# Altium PCB egse_pcb.PcbDoc (part 1 of 3)
Units mm, origin at the board's own origin, x right, y up, seen from the top; angles counter-clockwise.
Board outline 120 x 120 mm, 6 copper layers (Top Layer, GND-1, INT-SIG-1, INT-SIG-2, GND-2, Bottom Layer), stack 1.535 mm thick; 278 components, 151 nets, 1110 pads, 1015 vias.
Unrouted connection lines stored in the file: 164.
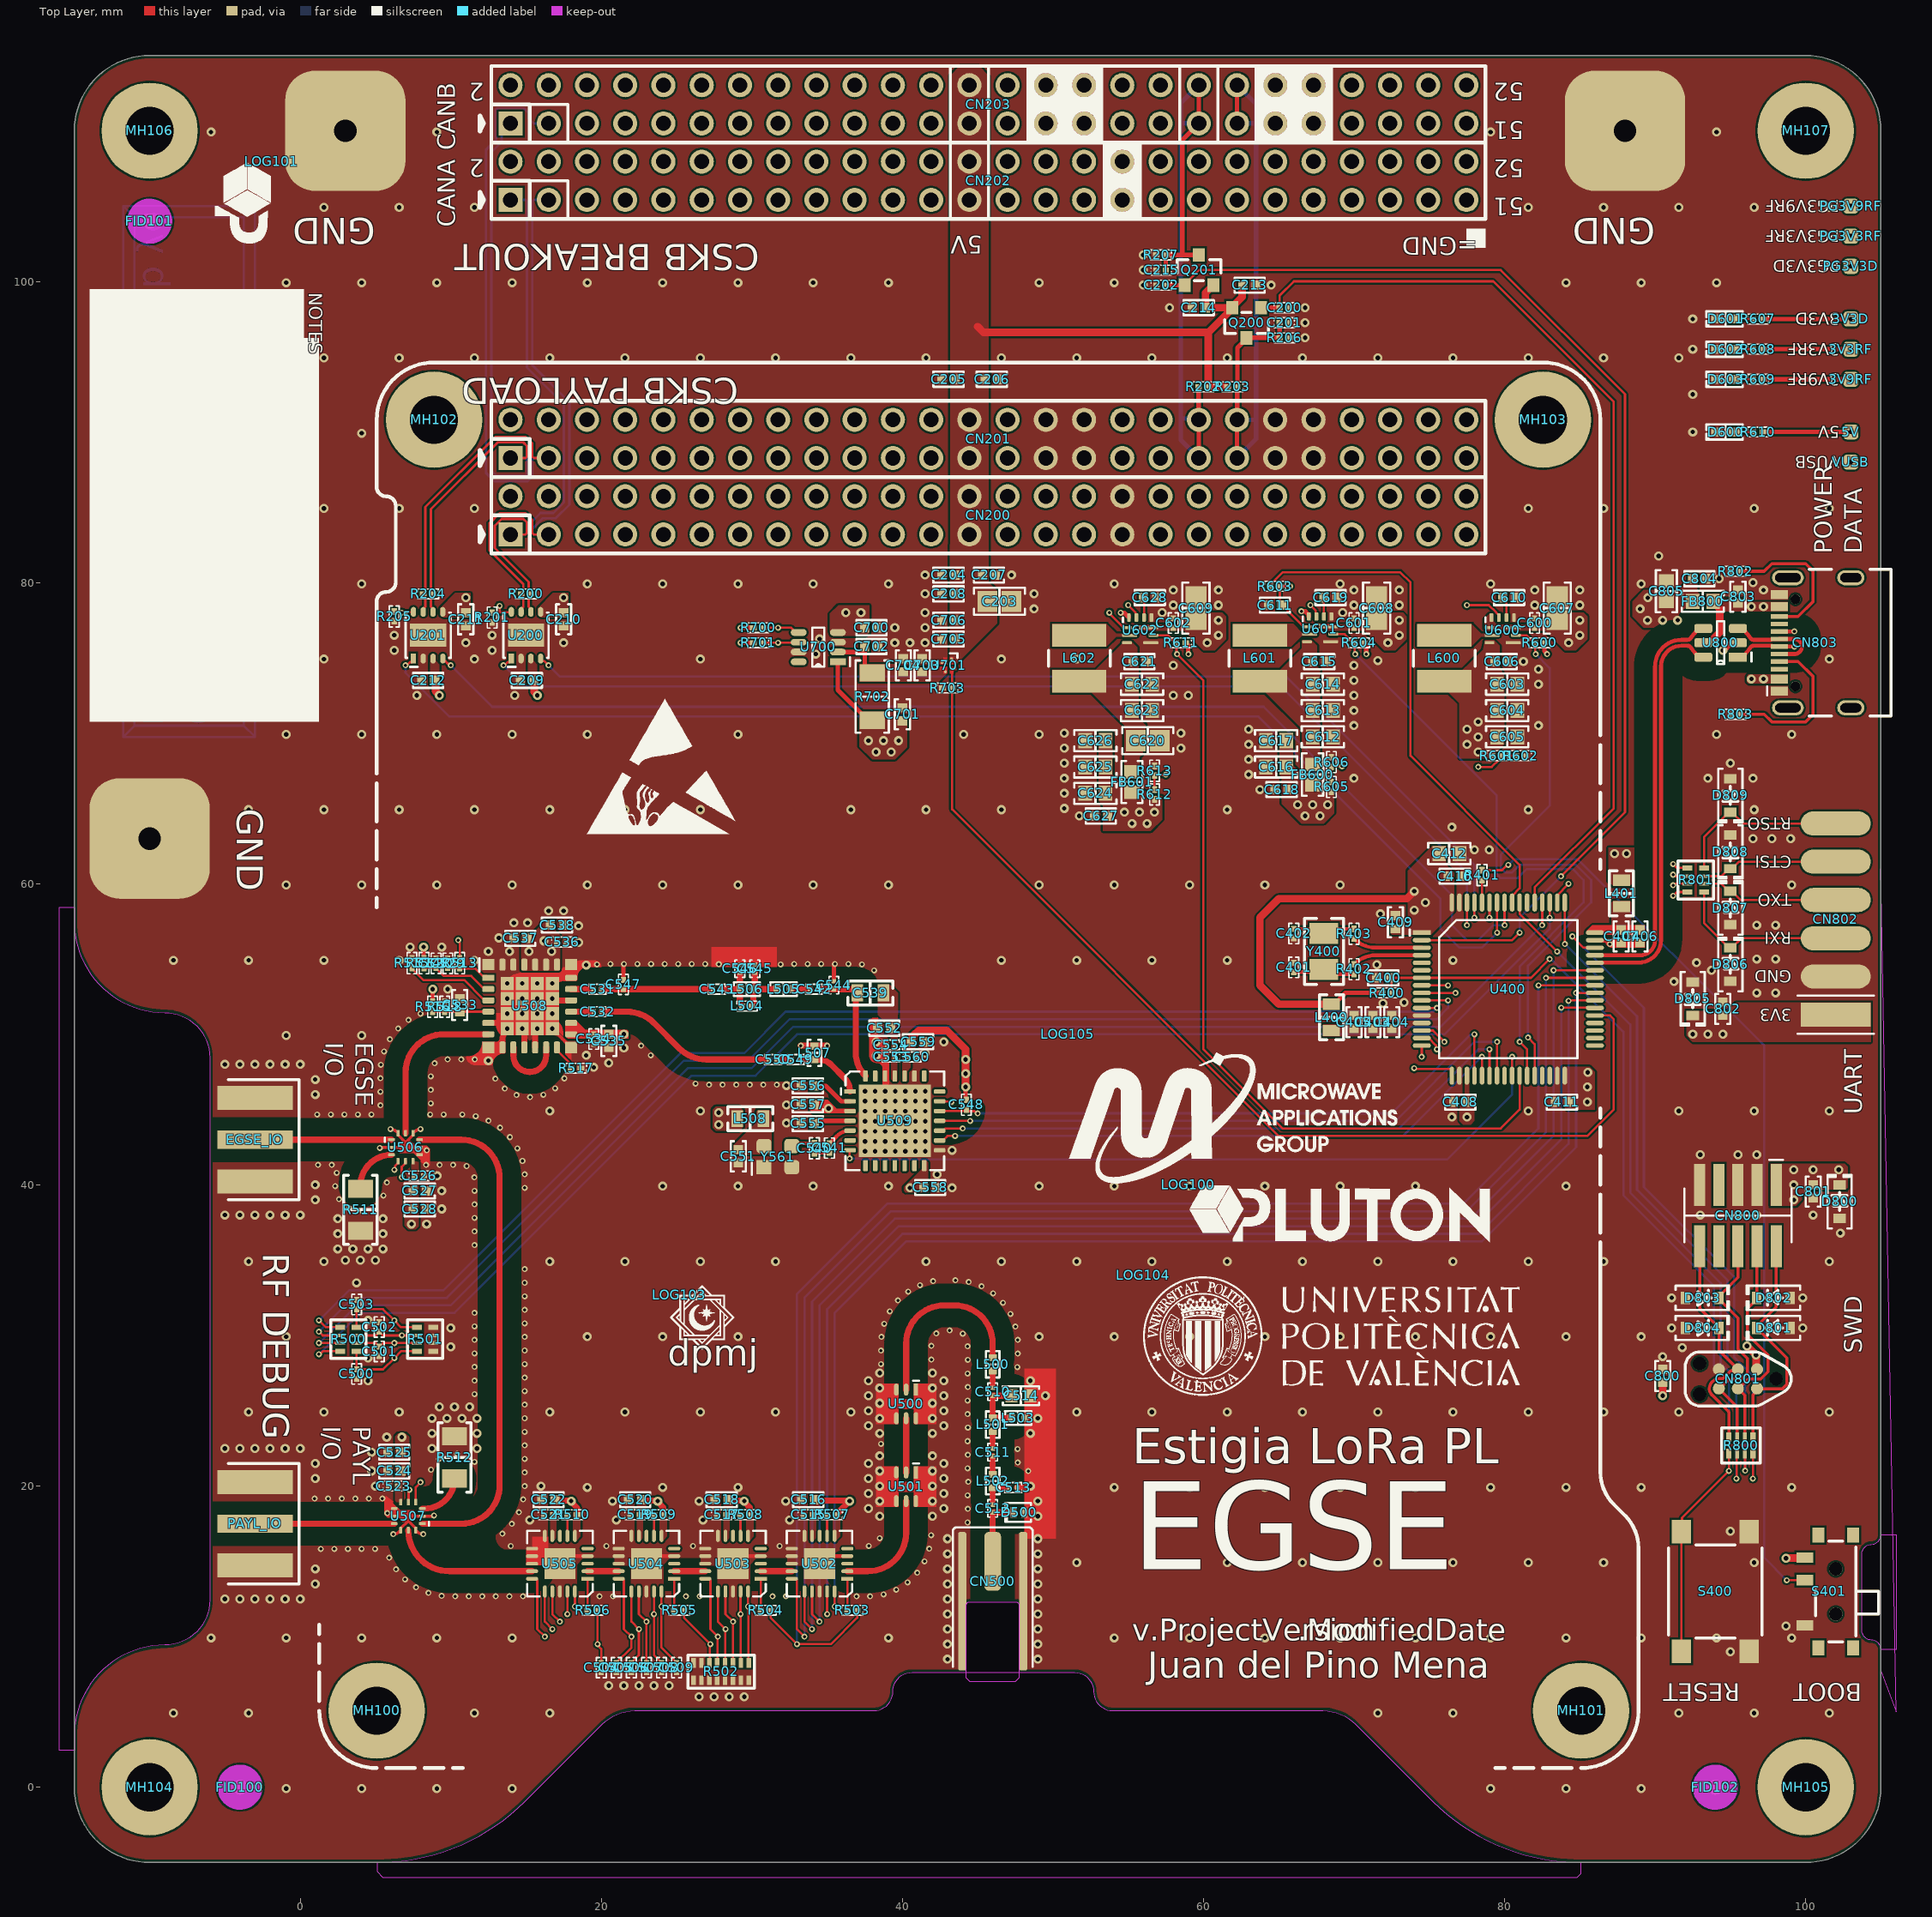
[diagram p0: Top Layer view]
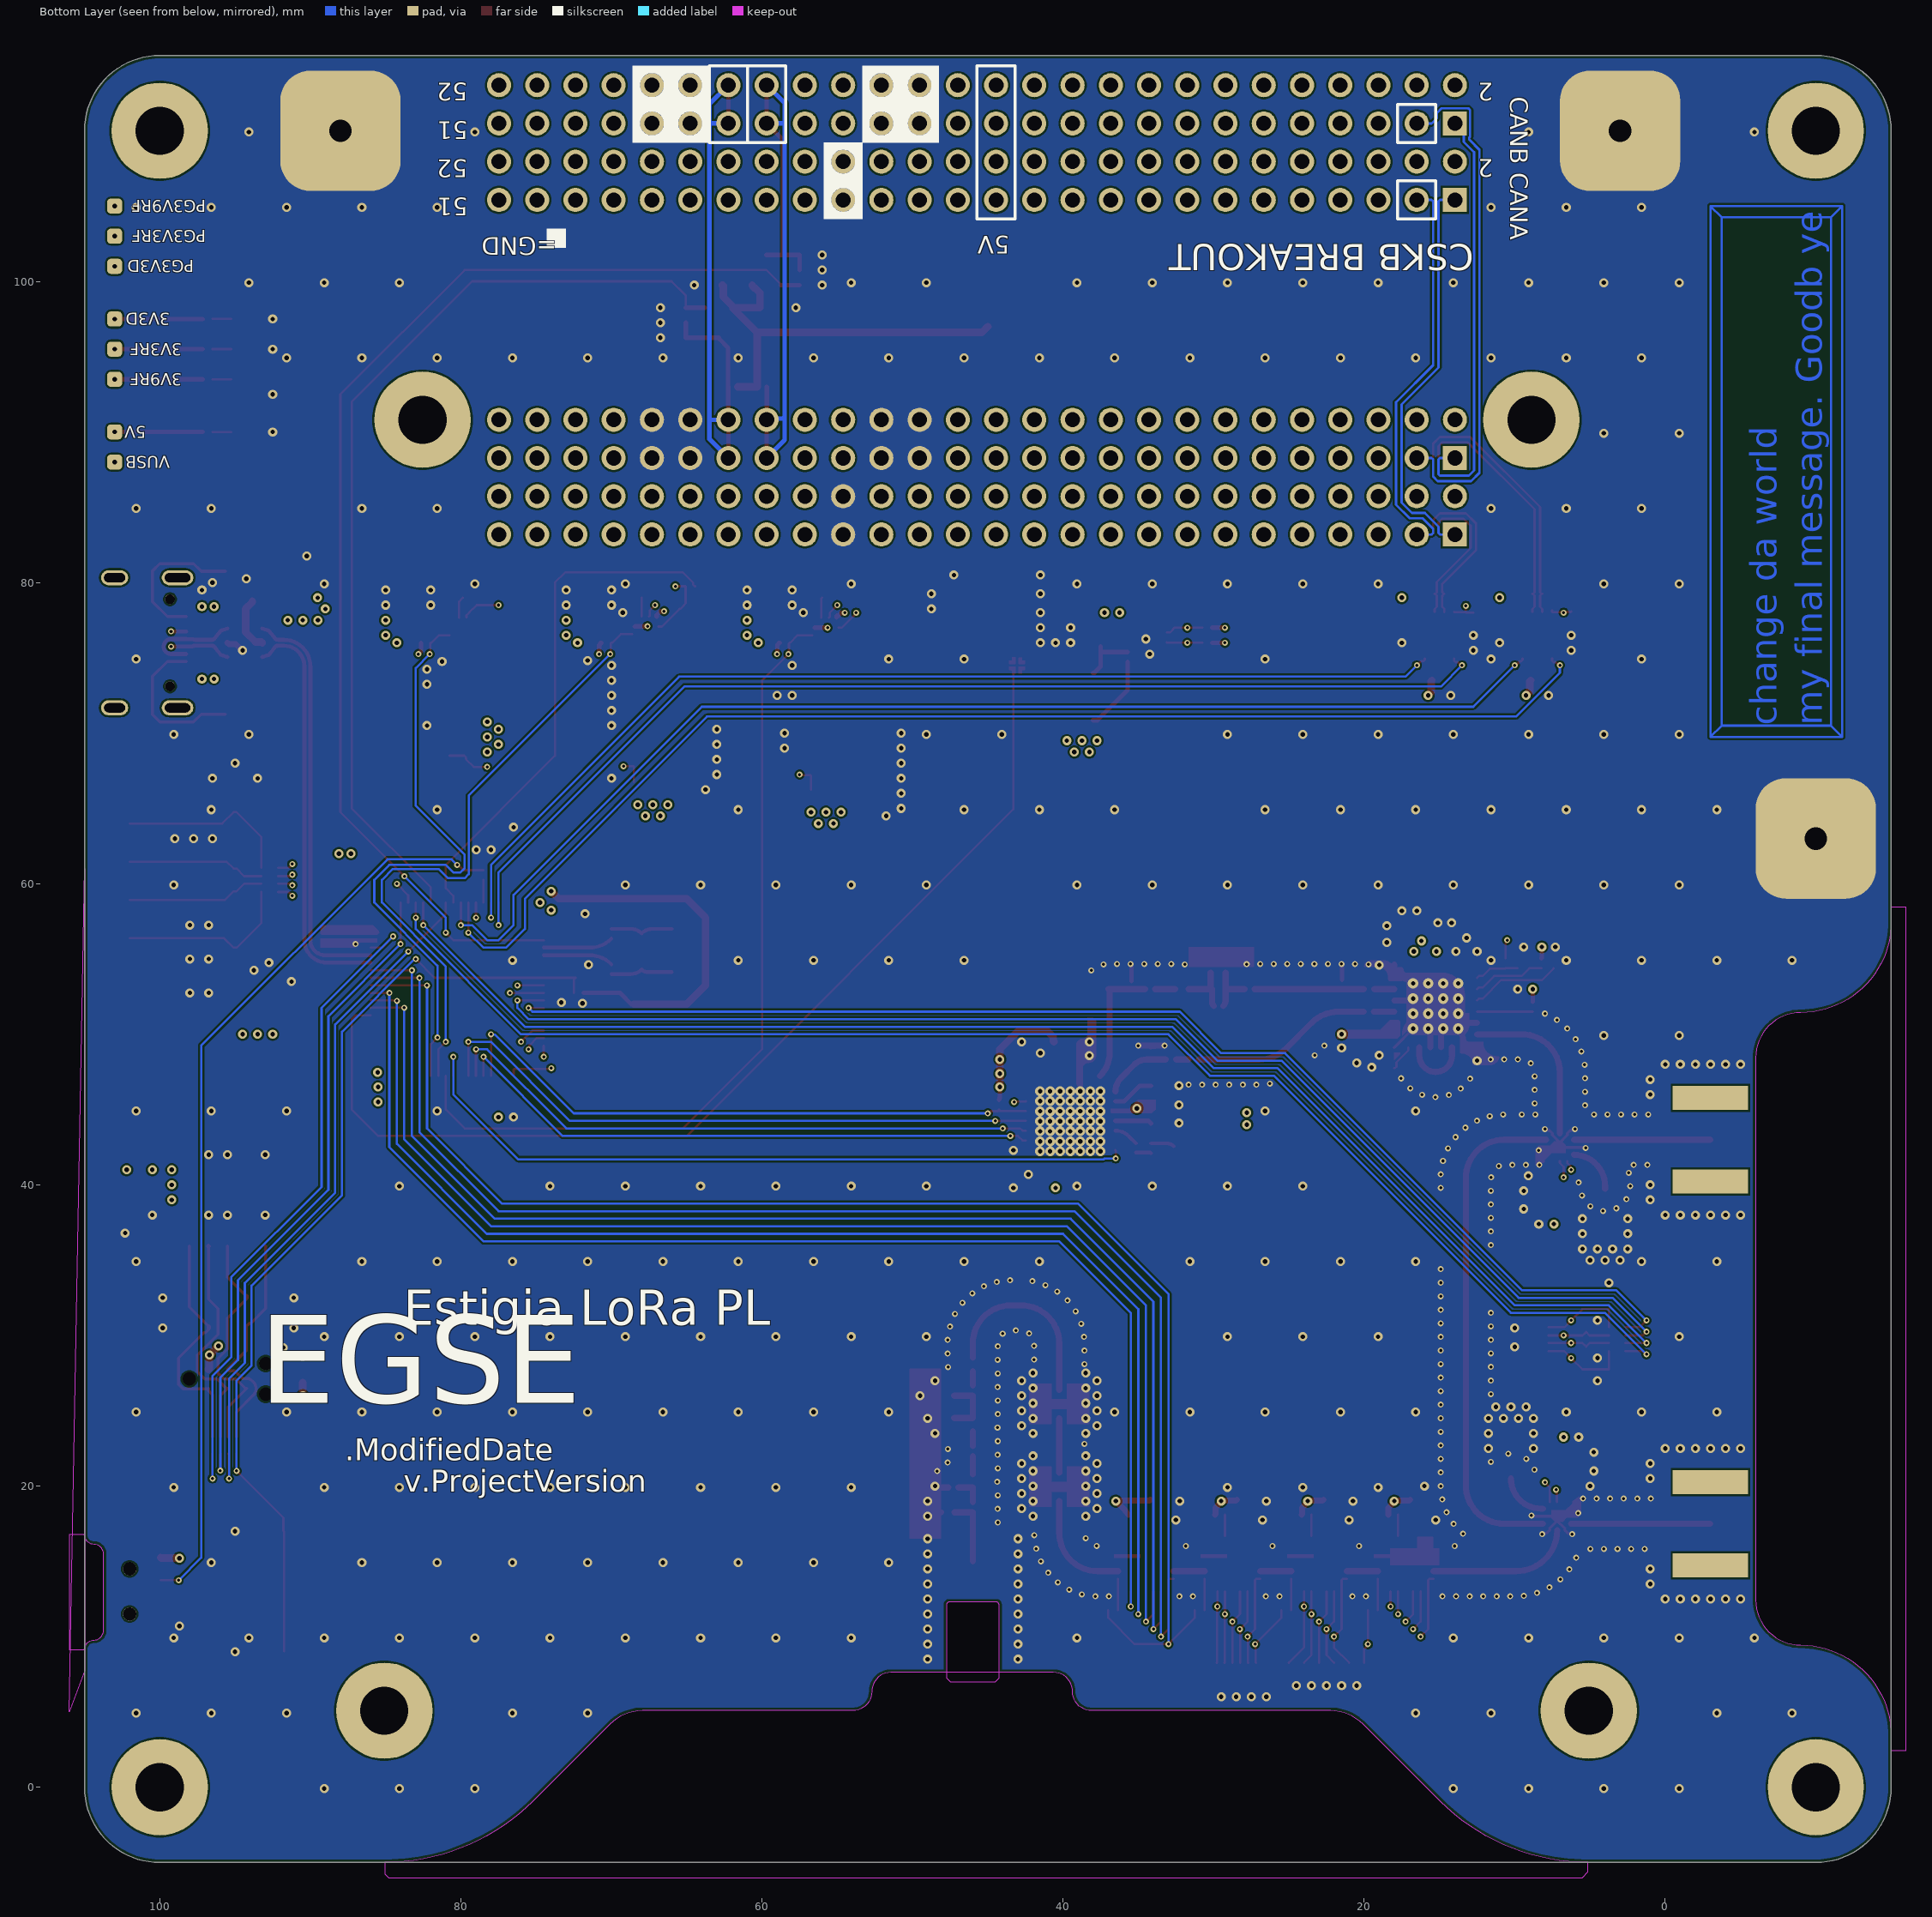
[diagram p1: Bottom Layer view, seen from below]
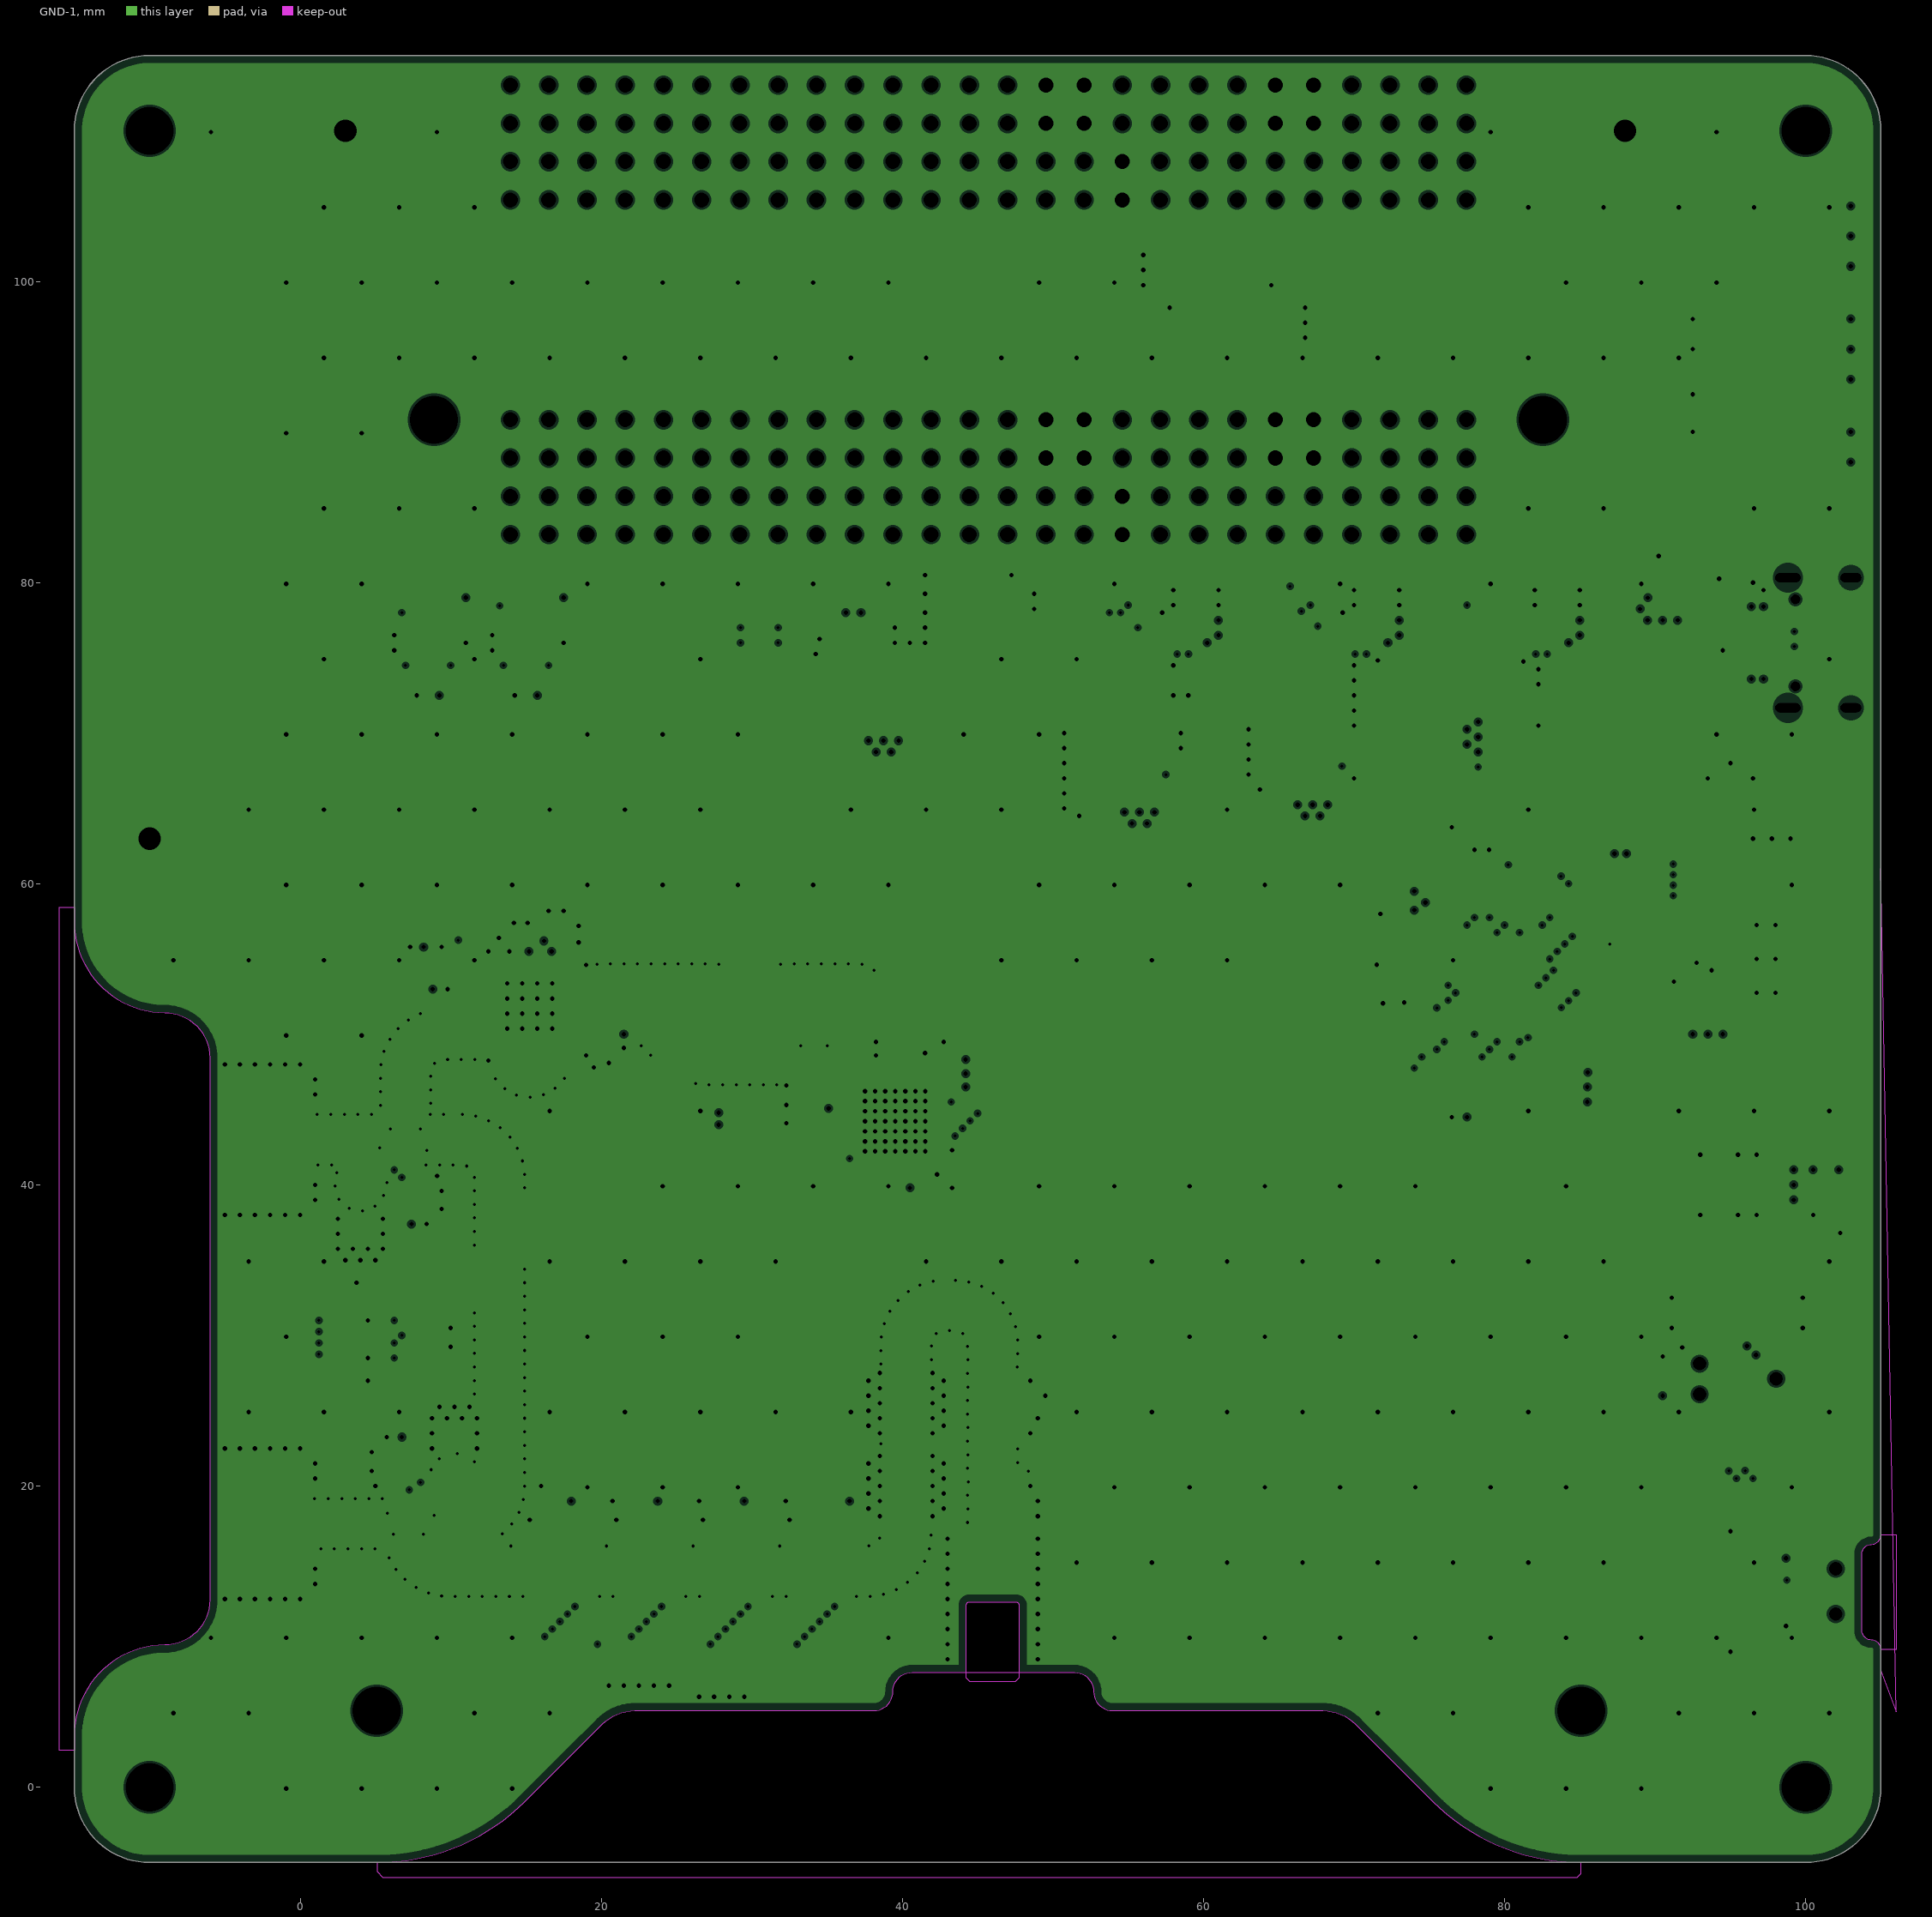
[diagram p2: GND-1, clearances drawn from the general rule]
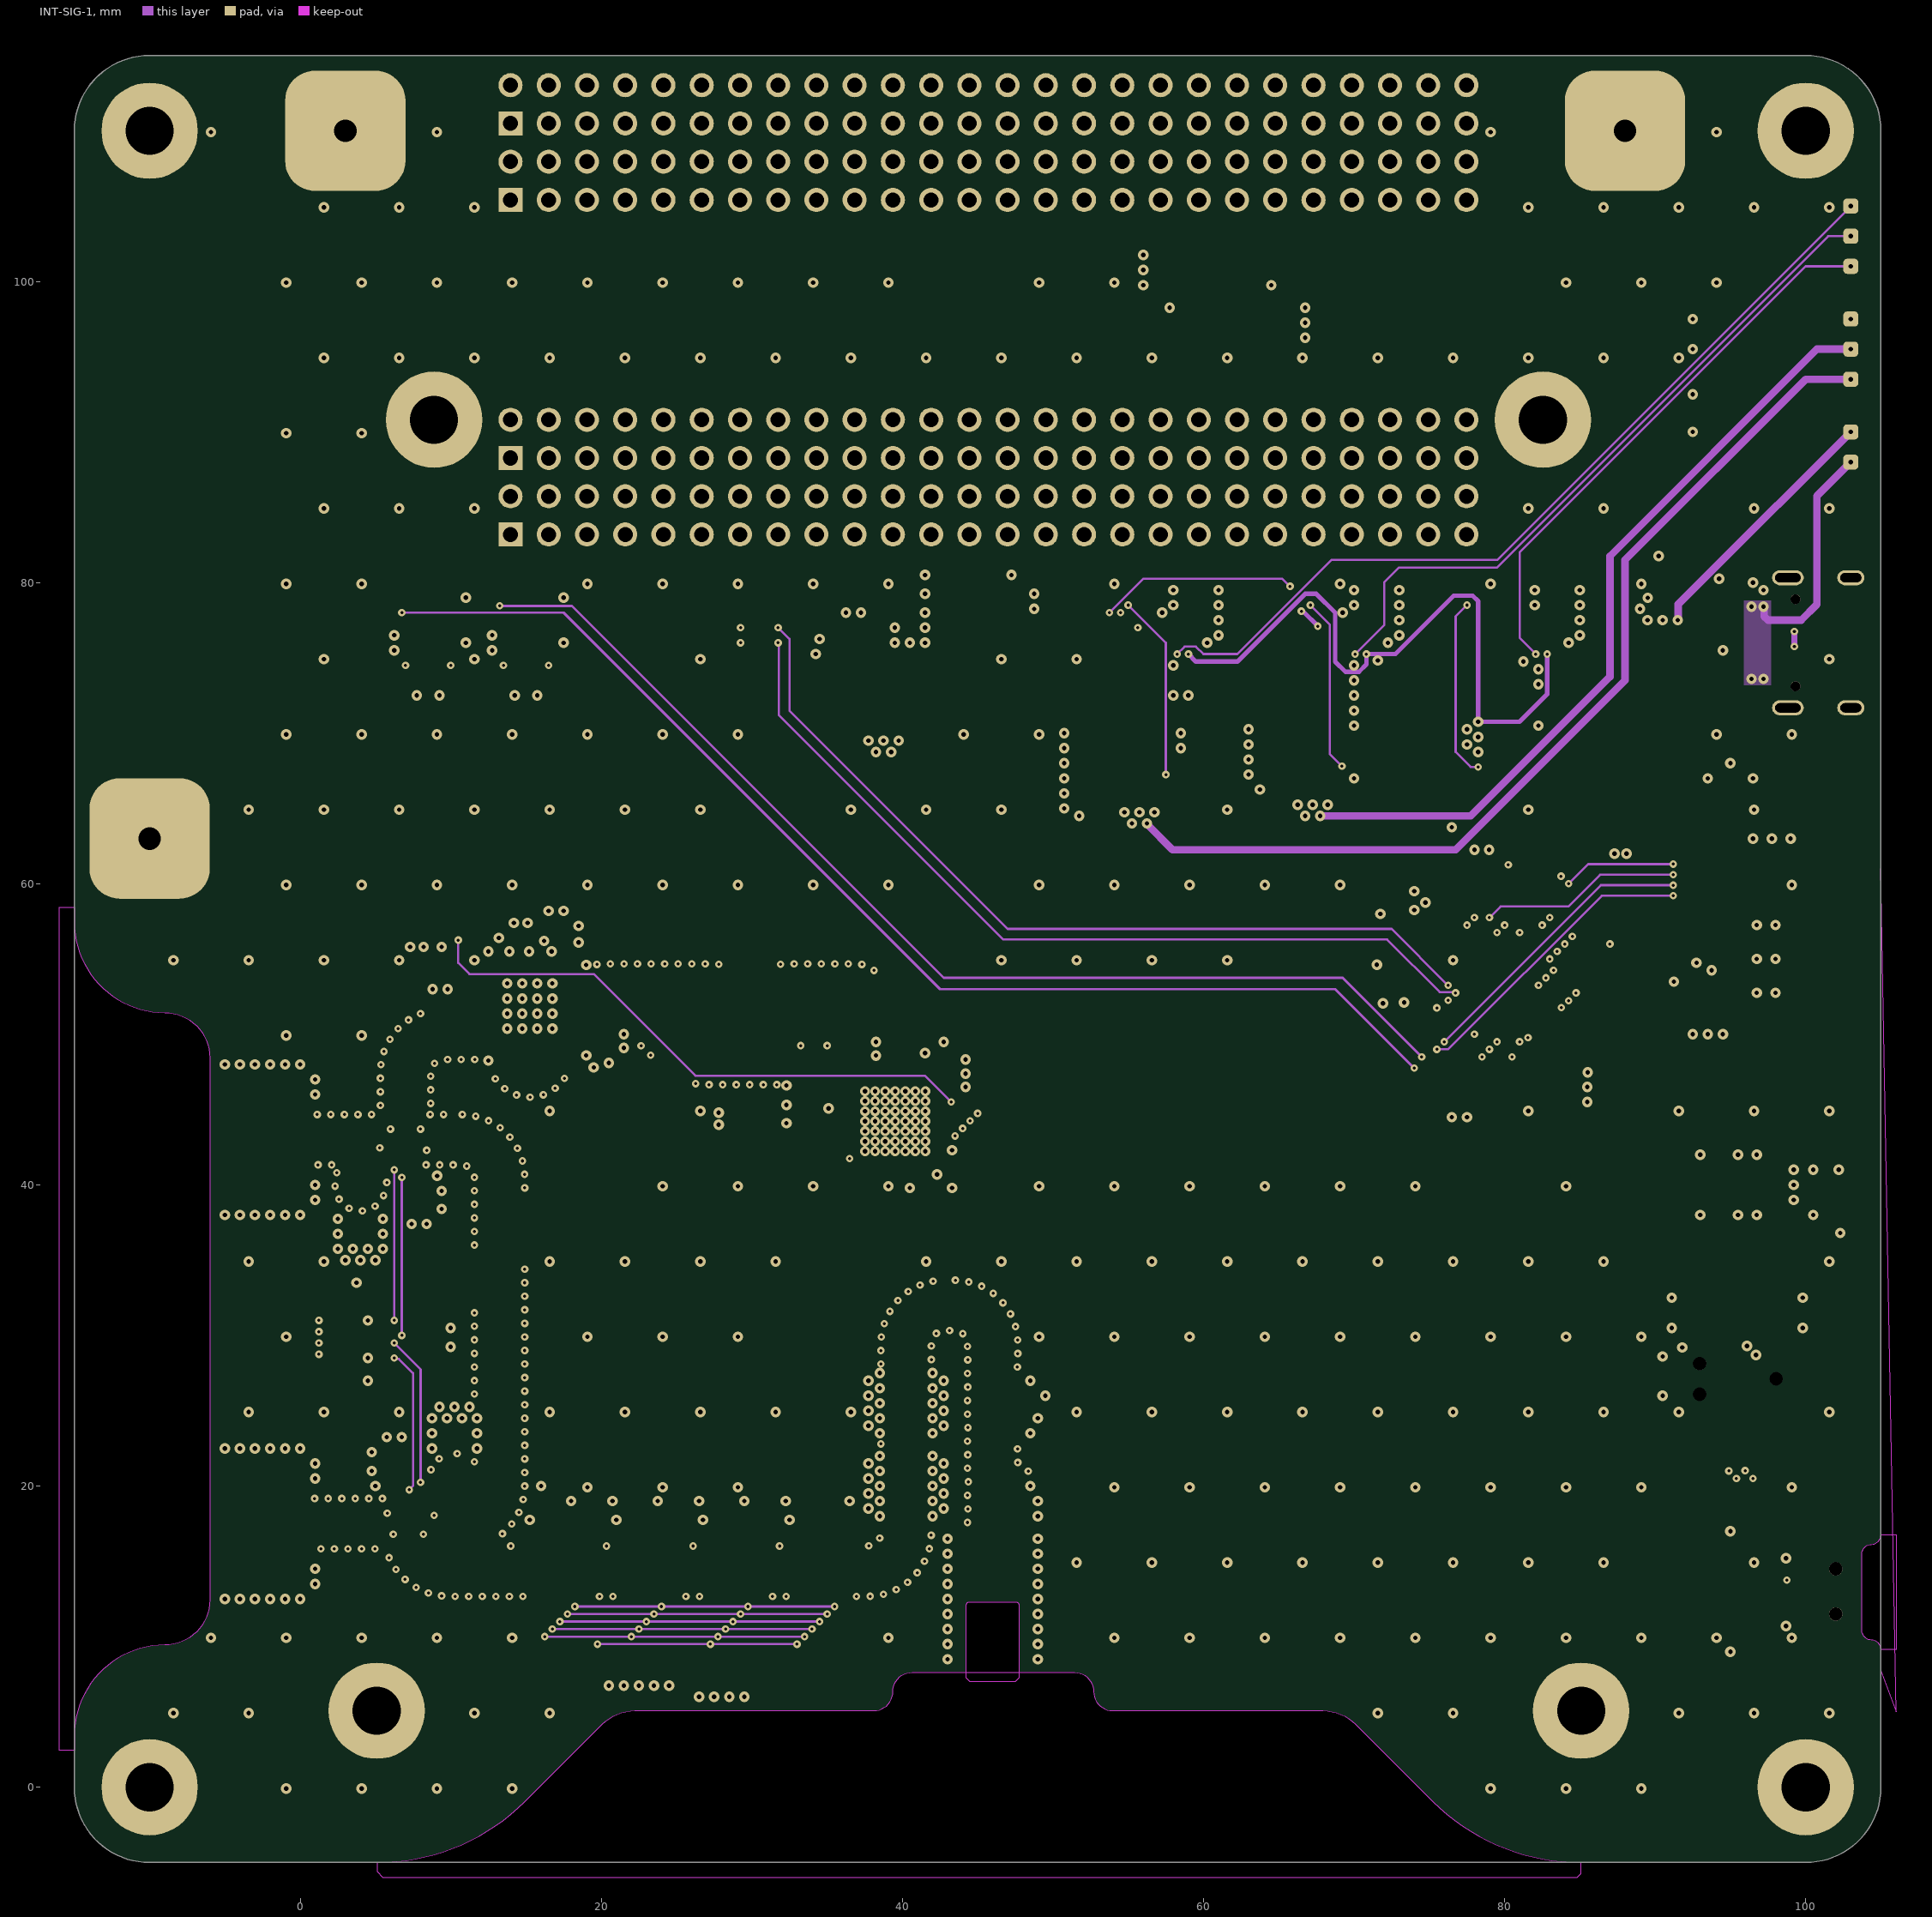
[diagram p3: INT-SIG-1]